# Altium PCB WS2812_MATRIX.PcbDoc (part 2 of 4) (continued)
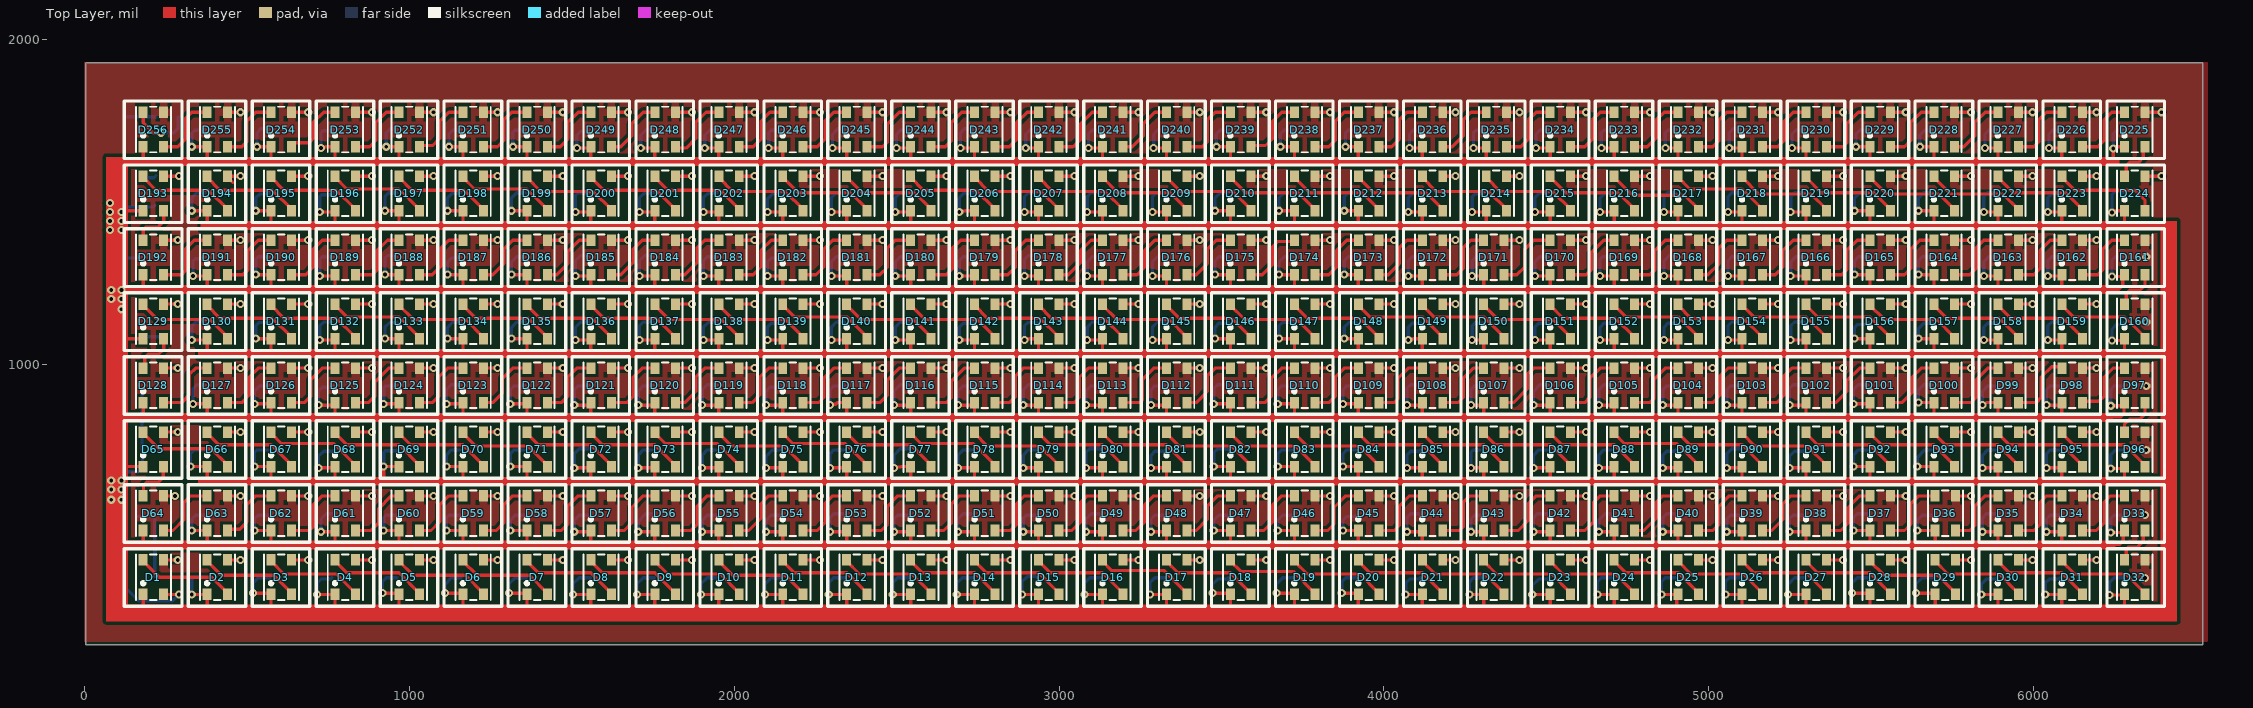
[diagram p0: Top Layer view]
## Nets (pads, with @x,y where several pads share a name; then routed paths per layer and width w, separated by ;. In a path a pad name is that pad's centre, name@x,y a point inside that pad or via, vN(x,y) a via of type N, cw(c..) or ccw(c..) an arc to the next point about the centre after c; other vN are vias at no path point) (continued)
NetD44_4: D44.4 D45.2 | length 212.5
  Top Layer w10: D45.2@3984.25,488.19 4031.5,488.19 4047.24,503.94 4047.24,562.99 4078.74,594.49 D44.4@4118.11,594.49
NetD45_4: D45.4 D46.2 | length 207.9
  Top Layer w10: D46.2@3787.4,488.19 3826.77,488.19 3846.46,507.87 3846.46,559.06 3881.89,594.49 D45.4@3921.26,594.49
NetD46_4: D46.4 D47.2 | length 207.9
  Top Layer w10: D47.2@3590.55,488.19 3629.92,488.19 3657.48,515.75 3657.48,566.93 3685.04,594.49 D46.4@3724.41,594.49
NetD47_4: D47.4 D48.2 | length 201.7
  Top Layer w10: D48.2@3393.7,488.19 3422.48,488.19 3456.69,522.4 3456.69,562.99 3488.19,594.49 D47.4@3527.56,594.49
NetD48_4: D48.4 D49.2 | length 207.9
  Top Layer w10: D49.2@3196.85,488.19 3236.22,488.19 3263.78,515.75 3263.78,566.93 3291.34,594.49 D48.4@3330.71,594.49
NetD49_4: D49.4 D50.2 | length 212.5
  Top Layer w10: D50.2@3000,488.19 3039.37,488.19 3066.93,515.75 3066.93,574.8 3086.61,594.49 D49.4@3133.86,594.49
NetD50_4: D50.4 D51.2 | length 214.8
  Top Layer w10: D51.2@2803.15,488.19 2850.39,488.19 2870.08,507.87 2870.08,570.87 2893.7,594.49 D50.4@2937.01,594.49
NetD51_4: D51.4 D52.2 | length 212.5
  Top Layer w10: D52.2@2606.3,488.19 2645.67,488.19 2669.29,511.81 2669.29,570.87 2692.91,594.49 D51.4@2740.16,594.49
NetD52_4: D52.4 D53.2 | length 210.2
  Top Layer w10: D53.2@2409.45,488.19 2452.76,488.19 2472.44,507.87 2472.44,562.99 2503.94,594.49 D52.4@2543.31,594.49
NetD53_4: D53.4 D54.2 | length 212.5
  Top Layer w10: D54.2@2212.6,488.19 2255.91,488.19 2279.53,511.81 2279.53,570.87 2303.15,594.49 D53.4@2346.46,594.49
NetD54_4: D54.4 D55.2 | length 204
  Top Layer w10: D55.2@2015.75,488.19 2044.53,488.19 2082.68,526.34 2082.68,570.87 2106.3,594.49 D54.4@2149.61,594.49
NetD55_4: D55.4 D56.2 | length 210.2
  Top Layer w10: D56.2@1818.9,488.19 1866.14,488.19 1885.83,507.87 1885.83,562.99 1917.32,594.49 D55.4@1952.76,594.49
NetD56_4: D56.4 D57.2 | length 205.6
  Top Layer w10: D57.2@1622.05,488.19 1661.42,488.19 1685.04,511.81 1685.04,559.06 1720.47,594.49 D56.4@1755.9,594.49
NetD57_4: D57.4 D58.2 | length 210.2
  Top Layer w10: D58.2@1425.2,488.19 1468.5,488.19 1488.19,507.87 1488.19,562.99 1519.69,594.49 D57.4@1559.05,594.49
NetD58_4: D58.4 D59.2 | length 210.2
  Top Layer w10: D59.2@1228.35,488.19 1267.72,488.19 1291.34,511.81 1291.34,566.93 1318.9,594.49 D58.4@1362.2,594.49
NetD59_4: D59.4 D60.2 | length 207.9
  Top Layer w10: D60.2@1031.5,488.19 1066.93,488.19 1094.49,515.75 1094.49,566.93 1122.05,594.49 D59.4@1165.35,594.49
NetD60_4: D60.4 D61.2 | length 203.3
  Top Layer w10: D61.2@834.65,488.19 881.89,488.19 905.51,511.81 905.51,555.12 944.88,594.49 D60.4@968.5,594.49
NetD61_4: D61.4 D62.2 | length 217.1
  Top Layer w10: D62.2@637.8,488.19 692.91,488.19 704.72,500 704.72,566.93 732.28,594.49 D61.4@771.65,594.49
NetD62_4: D62.4 D63.2 | length 211.2
  Top Layer w10: D63.2@440.95,488.19 440.95,492.13 478.08,492.13 500,514.05 500,566.93 527.56,594.49 D62.4@574.8,594.49
NetD63_4: D63.4 D64.2 | length 208.6
  Top Layer w10: D64.2@244.09,488.19 272.87,488.19 307.09,522.4 307.09,574.8 326.77,594.49 D63.4@377.95,594.49
NetD65_4: D65.4 D66.2 | length 308.5
  Top Layer w10: D65.4@181.1,791.34 181.1,787.4 228.35,740.16 389.76,740.16 440.95,688.98 D66.2@440.95,685.04
NetD66_4: D66.4 D67.2 | length 308.5
  Top Layer w10: D66.4@377.95,791.34 377.95,787.4 413.39,751.97 574.8,751.97 637.8,688.98 D67.2@637.8,685.04
NetD67_4: D67.4 D68.2 | length 308.5
  Top Layer w10: D67.4@574.8,791.34 574.8,787.4 606.3,755.91 767.72,755.91 834.65,688.98 D68.2@834.65,685.04
NetD68_4: D68.4 D69.2 | length 308.5
  Top Layer w10: D68.4@771.65,791.34 771.65,787.4 807.09,751.97 968.5,751.97 1031.5,688.98 D69.2@1031.5,685.04
NetD69_4: D69.4 D70.2 | length 308.5
  Top Layer w10: D69.4@968.5,791.34 968.5,787.4 1003.94,751.97 1165.35,751.97 1228.35,688.98 D70.2@1228.35,685.04
NetD70_4: D70.4 D71.2 | length 308.5
  Top Layer w10: D70.4@1165.35,791.34 1165.35,787.4 1204.72,748.03 1366.14,748.03 1425.2,688.98 D71.2@1425.2,685.04
NetD71_4: D71.4 D72.2 | length 308.5
  Top Layer w10: D71.4@1362.2,791.34 1362.2,787.4 1397.64,751.97 1559.06,751.97 1622.05,688.98 D72.2@1622.05,685.04
NetD72_4: D72.4 D73.2 | length 308.5
  Top Layer w10: D72.4@1559.05,791.34 1559.05,787.4 1594.49,751.97 1755.9,751.97 1818.9,688.98 D73.2@1818.9,685.04
NetD73_4: D73.4 D74.2 | length 308.5
  Top Layer w10: D73.4@1755.9,791.34 1755.9,787.4 1787.4,755.91 1948.82,755.91 2015.75,688.98 D74.2@2015.75,685.04
NetD74_4: D74.4 D75.2 | length 308.5
  Top Layer w10: D74.4@1952.76,791.34 1952.76,787.4 1992.13,748.03 2153.54,748.03 2212.6,688.98 D75.2@2212.6,685.04
NetD75_4: D75.4 D76.2 | length 308.5
  Top Layer w10: D75.4@2149.61,791.34 2149.61,787.4 2181.1,755.91 2342.52,755.91 2409.45,688.98 D76.2@2409.45,685.04
NetD76_4: D76.4 D77.2 | length 308.5
  Top Layer w10: D76.4@2346.46,791.34 2346.46,787.4 2381.89,751.97 2543.31,751.97 2606.3,688.98 D77.2@2606.3,685.04
NetD77_4: D77.4 D78.2 | length 308.5
  Top Layer w10: D77.4@2543.31,791.34 2543.31,787.4 2574.8,755.91 2736.22,755.91 2803.15,688.98 D78.2@2803.15,685.04
NetD78_4: D78.4 D79.2 | length 308.5
  Top Layer w10: D78.4@2740.16,791.34 2740.16,787.4 2779.53,748.03 2940.94,748.03 3000,688.98 D79.2@3000,685.04
NetD79_4: D79.4 D80.2 | length 308.5
  Top Layer w10: D79.4@2937.01,791.34 2937.01,787.4 2972.44,751.97 3133.86,751.97 3196.85,688.98 D80.2@3196.85,685.04
NetD80_4: D80.4 D81.2 | length 308.5
  Top Layer w10: D80.4@3133.86,791.34 3133.86,787.4 3169.29,751.97 3330.71,751.97 3393.7,688.98 D81.2@3393.7,685.04
NetD81_4: D81.4 D82.2 | length 308.5
  Top Layer w10: D81.4@3330.71,791.34 3330.71,787.4 3370.08,748.03 3531.5,748.03 3590.55,688.98 D82.2@3590.55,685.04
NetD82_4: D82.4 D83.2 | length 308.5
  Top Layer w10: D82.4@3527.56,791.34 3527.56,787.4 3566.93,748.03 3728.35,748.03 3787.4,688.98 D83.2@3787.4,685.04
NetD83_4: D83.4 D84.2 | length 308.5
  Top Layer w10: D83.4@3724.41,791.34 3724.41,787.4 3763.78,748.03 3925.2,748.03 3984.25,688.98 D84.2@3984.25,685.04
NetD84_4: D84.4 D85.2 | length 308.5
  Top Layer w10: D84.4@3921.26,791.34 3921.26,787.4 3956.69,751.97 4118.11,751.97 4181.1,688.98 D85.2@4181.1,685.04
NetD85_4: D85.4 D86.2 | length 300.6
  Top Layer w10: D85.4@4118.11,791.34 4118.11,787.4 4153.54,751.97 4307.09,751.97 4370.08,688.98 D86.2@4370.08,685.04
NetD86_4: D86.4 D87.2 | length 316.4
  Top Layer w10: D86.4@4307.09,791.34 4307.09,787.4 4342.52,751.97 4511.81,751.97 4574.8,688.98 D87.2@4574.8,685.04
NetD87_4: D87.4 D88.2 | length 308.5
  Top Layer w10: D87.4@4511.81,791.34 4511.81,787.4 4547.24,751.97 4708.66,751.97 4771.65,688.98 D88.2@4771.65,685.04
NetD88_4: D88.4 D89.2 | length 308.5
  Top Layer w10: D88.4@4708.66,791.34 4708.66,787.4 4740.15,755.91 4901.58,755.91 4968.5,688.98 D89.2@4968.5,685.04
NetD89_4: D89.4 D90.2 | length 308.5
  Top Layer w10: D89.4@4905.51,791.34 4905.51,787.4 4940.95,751.97 5102.36,751.97 5165.35,688.98 D90.2@5165.35,685.04
NetD90_4: D90.4 D91.2 | length 308.5
  Top Layer w10: D90.4@5102.36,791.34 5102.36,787.4 5141.73,748.03 5303.15,748.03 5362.2,688.98 D91.2@5362.2,685.04
NetD91_4: D91.4 D92.2 | length 308.5
  Top Layer w10: D91.4@5299.21,791.34 5299.21,787.4 5334.65,751.97 5496.06,751.97 5559.06,688.98 D92.2@5559.06,685.04
NetD92_4: D92.4 D93.2 | length 308.5
  Top Layer w10: D92.4@5496.06,791.34 5496.06,787.4 5531.5,751.97 5692.91,751.97 5755.91,688.98 D93.2@5755.91,685.04
NetD93_4: D93.4 D94.2 | length 308.5
  Top Layer w10: D93.4@5692.91,791.34 5692.91,787.4 5728.35,751.97 5889.76,751.97 5952.75,688.98 D94.2@5952.75,685.04
NetD94_4: D94.4 D95.2 | length 308.5
  Top Layer w10: D94.4@5889.76,791.34 5889.76,787.4 5925.19,751.97 6086.61,751.97 6149.6,688.98 D95.2@6149.6,685.04
NetD95_4: D95.4 D96.2 | length 304.6
  Top Layer w10: D95.4@6086.61,791.34 6086.61,787.4 6122.04,751.97 6279.53,751.97 6342.52,688.98 D96.2@6342.52,685.04
NetD97_4: D97.4 D98.2 | length 206.9
  Top Layer w10: D98.2@6149.6,885.83 6200.79,885.83 6216.54,901.57 6216.54,960.63 6244.09,988.19 D97.4@6279.53,988.19
NetD98_4: D98.4 D99.2 | length 216.4
  Top Layer w10: D99.2@5952.75,881.89 6007.87,881.89 6023.62,897.64 6023.62,960.63 6055.12,992.13 D98.4@6086.61,992.13
NetD99_4: D99.4 D100.2 | length 210.2
  Top Layer w10: D100.2@5755.91,881.89 5807.09,881.89 5822.83,897.64 5822.83,952.76 5858.27,988.19 D99.4@5889.76,988.19
NetD100_4: D100.4 D101.2 | length 205.6
  Top Layer w10: D101.2@5559.06,881.89 5594.49,881.89 5625.98,913.39 5625.98,960.63 5653.54,988.19 D100.4@5692.91,988.19
NetD101_4: D101.4 D102.2 | length 197.1
  Top Layer w10: D102.2@5362.2,881.89 5390.98,881.89 5425.2,916.1 5425.2,948.82 5464.57,988.19 D101.4@5496.06,988.19
NetD102_4: D102.4 D103.2 | length 212.5
  Top Layer w10: D103.2@5165.35,881.89 5208.66,881.89 5232.28,905.51 5232.28,964.57 5255.91,988.19 D102.4@5299.21,988.19
NetD103_4: D103.4 D104.2 | length 212.5
  Top Layer w10: D104.2@4968.5,881.89 5011.81,881.89 5035.43,905.51 5035.43,964.57 5059.06,988.19 D103.4@5102.36,988.19
NetD104_4: D104.4 D105.2 | length 212.5
  Top Layer w10: D105.2@4771.65,881.89 4818.9,881.89 4830.71,893.7 4830.71,952.76 4866.14,988.19 D104.4@4905.51,988.19
NetD105_4: D105.4 D106.2 | length 212.5
  Top Layer w10: D106.2@4574.8,881.89 4618.11,881.89 4633.86,897.64 4633.86,956.69 4665.35,988.19 D105.4@4708.66,988.19
NetD106_4: D106.4 D107.2 | length 211.8
  Top Layer w10: D107.2@4370.08,881.89 4398.86,881.89 4440.94,923.98 4440.94,968.5 4460.63,988.19 D106.4@4511.81,988.19
NetD107_4: D107.4 D108.2 | length 204.6
  Top Layer w10: D108.2@4181.1,881.89 4228.35,881.89 4244.09,897.64 4244.09,956.69 4275.59,988.19 D107.4@4307.09,988.19
NetD108_4: D108.4 D109.2 | length 214.8
  Top Layer w10: D109.2@3984.25,881.89 4031.5,881.89 4043.31,893.7 4043.31,956.69 4074.8,988.19 D108.4@4118.11,988.19
NetD109_4: D109.4 D110.2 | length 212.5
  Top Layer w10: D110.2@3787.4,881.89 3830.71,881.89 3850.39,901.57 3850.39,960.63 3877.95,988.19 D109.4@3921.26,988.19
NetD110_4: D110.4 D111.2 | length 210.2
  Top Layer w10: D111.2@3590.55,881.89 3633.86,881.89 3653.54,901.57 3653.54,956.69 3685.04,988.19 D110.4@3724.41,988.19
NetD111_4: D111.4 D112.2 | length 206.3
  Top Layer w10: D112.2@3393.7,881.89 3422.48,881.89 3456.69,916.1 3456.69,964.57 3480.32,988.19 D111.4@3527.56,988.19
NetD112_4: D112.4 D113.2 | length 214.8
  Top Layer w10: D113.2@3196.85,881.89 3248.03,881.89 3255.91,889.76 3255.91,952.76 3291.34,988.19 D112.4@3330.71,988.19
NetD113_4: D113.4 D114.2 | length 214.8
  Top Layer w10: D114.2@3000,881.89 3047.24,881.89 3062.99,897.64 3062.99,960.63 3090.55,988.19 D113.4@3133.86,988.19
NetD114_4: D114.4 D115.2 | length 214.8
  Top Layer w10: D115.2@2803.15,881.89 2846.46,881.89 2866.14,901.57 2866.14,964.57 2889.76,988.19 D114.4@2937.01,988.19
NetD115_4: D115.4 D116.2 | length 207.9
  Top Layer w10: D116.2@2606.3,881.89 2653.54,881.89 2669.29,897.64 2669.29,948.82 2708.66,988.19 D115.4@2740.16,988.19
NetD116_4: D116.4 D117.2 | length 205.6
  Top Layer w10: D117.2@2409.45,881.89 2448.82,881.89 2472.44,905.51 2472.44,952.76 2507.87,988.19 D116.4@2543.31,988.19
NetD117_4: D117.4 D118.2 | length 212.5
  Top Layer w10: D118.2@2212.6,881.89 2259.84,881.89 2275.59,897.64 2275.59,956.69 2307.09,988.19 D117.4@2346.46,988.19
NetD118_4: D118.4 D119.2 | length 210.2
  Top Layer w10: D119.2@2015.75,881.89 2055.12,881.89 2078.74,905.51 2078.74,960.63 2106.3,988.19 D118.4@2149.61,988.19
NetD119_4: D119.4 D120.2 | length 204
  Top Layer w10: D120.2@1818.9,881.89 1847.68,881.89 1881.89,916.1 1881.89,960.63 1909.45,988.19 D119.4@1952.76,988.19
NetD120_4: D120.4 D121.2 | length 212.5
  Top Layer w10: D121.2@1622.05,881.89 1669.29,881.89 1688.98,901.57 1688.98,960.63 1716.54,988.19 D120.4@1755.9,988.19
NetD121_4: D121.4 D122.2 | length 212.5
  Top Layer w10: D122.2@1425.2,881.89 1468.5,881.89 1488.19,901.57 1488.19,960.63 1515.75,988.19 D121.4@1559.05,988.19
NetD122_4: D122.4 D123.2 | length 204
  Top Layer w10: D123.2@1228.35,881.89 1257.13,881.89 1287.4,912.17 1287.4,956.69 1318.9,988.19 D122.4@1362.2,988.19
NetD123_4: D123.4 D124.2 | length 212.5
  Top Layer w10: D124.2@1031.5,881.89 1070.87,881.89 1090.55,901.57 1090.55,960.63 1118.11,988.19 D123.4@1165.35,988.19
NetD124_4: D124.4 D125.2 | length 203.3
  Top Layer w10: D125.2@834.65,881.89 874.02,881.89 893.7,901.57 893.7,944.88 937.01,988.19 D124.4@968.5,988.19
NetD125_4: D125.4 D126.2 | length 207.9
  Top Layer w10: D126.2@637.8,881.89 677.17,881.89 696.85,901.57 696.85,952.76 732.28,988.19 D125.4@771.65,988.19
NetD126_4: D126.4 D127.2 | length 210.2
  Top Layer w10: D127.2@440.94,881.89 484.25,881.89 507.87,905.51 507.87,960.63 535.43,988.19 D126.4@574.8,988.19
NetD127_4: D127.4 D128.2 | length 214.8
  Top Layer w10: D128.2@244.09,881.89 299.21,881.89 322.83,905.51 322.83,968.5 342.52,988.19 D127.4@377.95,988.19
NetD129_4: D129.4 D130.2 | length 308.5
  Top Layer w10: D129.4@181.1,1185.04 181.1,1181.1 224.41,1137.8 385.83,1137.8 440.94,1082.68 D130.2@440.94,1078.74
NetD130_4: D130.4 D131.2 | length 308.5
  Top Layer w10: D130.4@377.95,1185.04 377.95,1181.1 417.32,1141.73 578.74,1141.73 637.8,1082.68 D131.2@637.8,1078.74
NetD131_4: D131.4 D132.2 | length 308.5
  Top Layer w10: D131.4@574.8,1185.04 574.8,1181.1 614.17,1141.73 775.59,1141.73 834.65,1082.68 D132.2@834.65,1078.74
NetD132_4: D132.4 D133.2 | length 308.5
  Top Layer w10: D132.4@771.65,1185.04 771.65,1181.1 807.09,1145.67 968.5,1145.67 1031.5,1082.68 D133.2@1031.5,1078.74
NetD133_4: D133.4 D134.2 | length 308.5
  Top Layer w10: D133.4@968.5,1185.04 968.5,1181.1 1011.81,1137.8 1173.23,1137.8 1228.35,1082.68 D134.2@1228.35,1078.74
NetD134_4: D134.4 D135.2 | length 308.5
  Top Layer w10: D134.4@1165.35,1185.04 1165.35,1181.1 1204.72,1141.73 1366.14,1141.73 1425.2,1082.68 D135.2@1425.2,1078.74
NetD135_4: D135.4 D136.2 | length 308.5
  Top Layer w10: D135.4@1362.2,1185.04 1362.2,1181.1 1401.57,1141.73 1562.99,1141.73 1622.05,1082.68 D136.2@1622.05,1078.74
NetD136_4: D136.4 D137.2 | length 308.5
  Top Layer w10: D136.4@1559.05,1185.04 1559.05,1181.1 1598.42,1141.73 1759.84,1141.73 1818.9,1082.68 D137.2@1818.9,1078.74
NetD137_4: D137.4 D138.2 | length 308.5
  Top Layer w10: D137.4@1755.9,1185.04 1755.9,1181.1 1799.21,1137.8 1960.63,1137.8 2015.75,1082.68 D138.2@2015.75,1078.74
NetD138_4: D138.4 D139.2 | length 308.5
  Top Layer w10: D138.4@1952.76,1185.04 1952.76,1181.1 1996.06,1137.8 2157.48,1137.8 2212.6,1082.68 D139.2@2212.6,1078.74
NetD139_4: D139.4 D140.2 | length 308.5
  Top Layer w10: D139.4@2149.61,1185.04 2149.61,1181.1 2185.04,1145.67 2346.46,1145.67 2409.45,1082.68 D140.2@2409.45,1078.74
NetD140_4: D140.4 D141.2 | length 308.5
  Top Layer w10: D140.4@2346.46,1185.04 2346.46,1181.1 2389.76,1137.8 2551.18,1137.8 2606.3,1082.68 D141.2@2606.3,1078.74
NetD141_4: D141.4 D142.2 | length 308.5
  Top Layer w10: D141.4@2543.31,1185.04 2543.31,1181.1 2586.61,1137.8 2748.03,1137.8 2803.15,1082.68 D142.2@2803.15,1078.74
NetD142_4: D142.4 D143.2 | length 308.5
  Top Layer w10: D142.4@2740.16,1185.04 2740.16,1181.1 2779.53,1141.73 2940.94,1141.73 3000,1082.68 D143.2@3000,1078.74
NetD143_4: D143.4 D144.2 | length 308.5
  Top Layer w10: D143.4@2937.01,1185.04 2937.01,1181.1 2976.38,1141.73 3137.79,1141.73 3196.85,1082.68 D144.2@3196.85,1078.74
NetD144_4: D144.4 D145.2 | length 308.5
  Top Layer w10: D144.4@3133.86,1185.04 3133.86,1181.1 3177.16,1137.8 3338.58,1137.8 3393.7,1082.68 D145.2@3393.7,1078.74
NetD145_4: D145.4 D146.2 | length 308.5
  Top Layer w10: D145.4@3330.71,1185.04 3330.71,1181.1 3370.08,1141.73 3531.5,1141.73 3590.55,1082.68 D146.2@3590.55,1078.74
NetD146_4: D146.4 D147.2 | length 308.5
  Top Layer w10: D146.4@3527.56,1185.04 3527.56,1181.1 3570.87,1137.8 3732.28,1137.8 3787.4,1082.68 D147.2@3787.4,1078.74
NetD147_4: D147.4 D148.2 | length 308.5
  Top Layer w10: D147.4@3724.41,1185.04 3724.41,1181.1 3763.78,1141.73 3925.2,1141.73 3984.25,1082.68 D148.2@3984.25,1078.74
NetD148_4: D148.4 D149.2 | length 308.5
  Top Layer w10: D148.4@3921.26,1185.04 3921.26,1181.1 3956.69,1145.67 4118.11,1145.67 4181.1,1082.68 D149.2@4181.1,1078.74
NetD149_4: D149.4 D150.2 | length 300.6
  Top Layer w10: D149.4@4118.11,1185.04 4118.11,1181.1 4153.54,1145.67 4307.09,1145.67 4370.08,1082.68 D150.2@4370.08,1078.74
NetD150_4: D150.4 D151.2 | length 316.4
  Top Layer w10: D150.4@4307.09,1185.04 4307.09,1181.1 4350.39,1137.8 4519.68,1137.8 4574.8,1082.68 D151.2@4574.8,1078.74
NetD151_4: D151.4 D152.2 | length 308.5
  Top Layer w10: D151.4@4511.81,1185.04 4511.81,1181.1 4551.18,1141.73 4712.6,1141.73 4771.65,1082.68 D152.2@4771.65,1078.74
NetD152_4: D152.4 D153.2 | length 308.5
  Top Layer w10: D152.4@4708.66,1185.04 4708.66,1181.1 4744.09,1145.67 4905.51,1145.67 4968.5,1082.68 D153.2@4968.5,1078.74
NetD153_4: D153.4 D154.2 | length 308.5
  Top Layer w10: D153.4@4905.51,1185.04 4905.51,1181.1 4944.88,1141.73 5106.3,1141.73 5165.35,1082.68 D154.2@5165.35,1078.74
NetD154_4: D154.4 D155.2 | length 308.5
  Top Layer w10: D154.4@5102.36,1185.04 5102.36,1181.1 5137.8,1145.67 5299.21,1145.67 5362.2,1082.68 D155.2@5362.2,1078.74
NetD155_4: D155.4 D156.2 | length 308.5
  Top Layer w10: D155.4@5299.21,1185.04 5299.21,1181.1 5334.65,1145.67 5496.06,1145.67 5559.06,1082.68 D156.2@5559.06,1078.74
NetD156_4: D156.4 D157.2 | length 308.5
  Top Layer w10: D156.4@5496.06,1185.04 5496.06,1181.1 5539.37,1137.8 5700.79,1137.8 5755.91,1082.68 D157.2@5755.91,1078.74
NetD157_4: D157.4 D158.2 | length 308.5
  Top Layer w10: D157.4@5692.91,1185.04 5692.91,1181.1 5732.28,1141.73 5893.7,1141.73 5952.75,1082.68 D158.2@5952.75,1078.74
NetD158_4: D158.4 D159.2 | length 308.5
  Top Layer w10: D158.4@5889.76,1185.04 5889.76,1181.1 5929.13,1141.73 6090.55,1141.73 6149.6,1082.68 D159.2@6149.6,1078.74
NetD159_4: D159.4 D160.2 | length 304.6
  Top Layer w10: D159.4@6086.61,1185.04 6086.61,1181.1 6122.04,1145.67 6279.53,1145.67 6342.52,1082.68 D160.2@6342.52,1078.74
NetD161_4: D161.4 D162.2 | length 210.9
  Top Layer w10: D162.2@6149.6,1275.59 6196.85,1275.59 6212.6,1291.34 6212.6,1354.33 6240.16,1381.89 D161.4@6279.53,1381.89
NetD162_4: D162.4 D163.2 | length 210.2
  Top Layer w10: D163.2@5952.75,1275.59 6000,1275.59 6019.69,1295.28 6019.69,1350.39 6051.18,1381.89 D162.4@6086.61,1381.89
NetD163_4: D163.4 D164.2 | length 214.8
  Top Layer w10: D164.2@5755.91,1275.59 5803.15,1275.59 5822.83,1295.28 5822.83,1358.27 5846.46,1381.89 D163.4@5889.76,1381.89
NetD164_4: D164.4 D165.2 | length 212.5
  Top Layer w10: D165.2@5559.06,1275.59 5602.36,1275.59 5622.05,1295.28 5622.05,1354.33 5649.61,1381.89 D164.4@5692.91,1381.89
NetD165_4: D165.4 D166.2 | length 212.5
  Top Layer w10: D166.2@5362.2,1275.59 5409.45,1275.59 5425.2,1291.34 5425.2,1350.39 5456.69,1381.89 D165.4@5496.06,1381.89
NetD166_4: D166.4 D167.2 | length 207.9
  Top Layer w10: D167.2@5165.35,1275.59 5204.72,1275.59 5228.35,1299.21 5228.35,1350.39 5259.84,1381.89 D166.4@5299.21,1381.89
NetD167_4: D167.4 D168.2 | length 206.3
  Top Layer w10: D168.2@4968.5,1275.59 4997.28,1275.59 5031.5,1309.8 5031.5,1358.27 5055.12,1381.89 D167.4@5102.36,1381.89
NetD168_4: D168.4 D169.2 | length 212.5
  Top Layer w10: D169.2@4771.65,1275.59 4818.9,1275.59 4834.65,1291.34 4834.65,1350.39 4866.14,1381.89 D168.4@4905.51,1381.89
NetD169_4: D169.4 D170.2 | length 207.9
  Top Layer w10: D170.2@4574.8,1275.59 4622.05,1275.59 4637.8,1291.34 4637.8,1342.52 4677.17,1381.89 D169.4@4708.66,1381.89
NetD170_4: D170.4 D171.2 | length 218.1
  Top Layer w10: D171.2@4370.08,1275.59 4409.45,1275.59 4433.07,1299.21 4433.07,1354.33 4460.63,1381.89 D170.4@4511.81,1381.89
NetD171_4: D171.4 D172.2 | length 206.9
  Top Layer w10: D172.2@4181.1,1275.59 4224.41,1275.59 4244.09,1295.28 4244.09,1358.27 4267.72,1381.89 D171.4@4307.09,1381.89
NetD172_4: D172.4 D173.2 | length 206.3
  Top Layer w10: D173.2@3984.25,1275.59 4013.03,1275.59 4047.24,1309.8 4047.24,1358.27 4070.87,1381.89 D172.4@4118.11,1381.89
NetD173_4: D173.4 D174.2 | length 207.9
  Top Layer w10: D174.2@3787.4,1275.59 3830.71,1275.59 3854.33,1299.21 3854.33,1350.39 3885.83,1381.89 D173.4@3921.26,1381.89
NetD174_4: D174.4 D175.2 | length 212.5
  Top Layer w10: D175.2@3590.55,1275.59 3625.98,1275.59 3657.48,1307.09 3657.48,1362.2 3673.23,1377.95 3724.41,1377.95 D174.4@3724.41,1381.89
NetD175_4: D175.4 D176.2 | length 204
  Top Layer w10: D176.2@3393.7,1275.59 3422.48,1275.59 3456.69,1309.8 3456.69,1354.33 3484.25,1381.89 D175.4@3527.56,1381.89
NetD176_4: D176.4 D177.2 | length 207.9
  Top Layer w10: D177.2@3196.85,1275.59 3240.16,1275.59 3263.78,1299.21 3263.78,1350.39 3295.28,1381.89 D176.4@3330.71,1381.89
NetD177_4: D177.4 D178.2 | length 199.4
  Top Layer w10: D178.2@3000,1275.59 3028.78,1275.59 3066.93,1313.74 3066.93,1350.39 3098.43,1381.89 D177.4@3133.86,1381.89
NetD178_4: D178.4 D179.2 | length 207.9
  Top Layer w10: D179.2@2803.15,1275.59 2842.52,1275.59 2866.14,1299.21 2866.14,1350.39 2897.64,1381.89 D178.4@2937.01,1381.89
NetD179_4: D179.4 D180.2 | length 214.8
  Top Layer w10: D180.2@2606.3,1275.59 2653.54,1275.59 2673.23,1295.28 2673.23,1358.27 2696.85,1381.89 D179.4@2740.16,1381.89
NetD180_4: D180.4 D181.2 | length 212.5
  Top Layer w10: D181.2@2409.45,1275.59 2448.82,1275.59 2472.44,1299.21 2472.44,1358.27 2496.06,1381.89 D180.4@2543.31,1381.89
NetD181_4: D181.4 D182.2 | length 210.2
  Top Layer w10: D182.2@2212.6,1275.59 2251.97,1275.59 2275.59,1299.21 2275.59,1354.33 2303.15,1381.89 D181.4@2346.46,1381.89
NetD182_4: D182.4 D183.2 | length 207.9
  Top Layer w10: D183.2@2015.75,1275.59 2059.06,1275.59 2082.68,1299.21 2082.68,1350.39 2114.17,1381.89 D182.4@2149.61,1381.89
NetD183_4: D183.4 D184.2 | length 204
  Top Layer w10: D184.2@1818.9,1275.59 1847.68,1275.59 1885.83,1313.74 1885.83,1358.27 1909.45,1381.89 D183.4@1952.76,1381.89
NetD184_4: D184.4 D185.2 | length 201.7
  Top Layer w10: D185.2@1622.05,1275.59 1650.83,1275.59 1688.98,1313.74 1688.98,1354.33 1716.54,1381.89 D184.4@1755.9,1381.89
NetD185_4: D185.4 D186.2 | length 199.4
  Top Layer w10: D186.2@1425.2,1275.59 1453.98,1275.59 1488.19,1309.8 1488.19,1346.46 1523.62,1381.89 D185.4@1559.05,1381.89
NetD186_4: D186.4 D187.2 | length 204
  Top Layer w10: D187.2@1228.35,1275.59 1257.13,1275.59 1291.34,1309.8 1291.34,1354.33 1318.9,1381.89 D186.4@1362.2,1381.89
NetD187_4: D187.4 D188.2 | length 210.2
  Top Layer w10: D188.2@1031.5,1275.59 1070.87,1275.59 1098.43,1303.15 1098.43,1358.27 1122.05,1381.89 D187.4@1165.35,1381.89
NetD188_4: D188.4 D189.2 | length 212.5
  Top Layer w10: D189.2@834.65,1275.59 885.83,1275.59 901.57,1291.34 901.57,1350.39 933.07,1381.89 D188.4@968.5,1381.89
NetD189_4: D189.4 D190.2 | length 210.2
  Top Layer w10: D190.2@637.8,1275.59 681.1,1275.59 704.72,1299.21 704.72,1354.33 732.28,1381.89 D189.4@771.65,1381.89
NetD190_4: D190.4 D191.2 | length 212.5
  Top Layer w10: D191.2@440.94,1275.59 488.19,1275.59 503.94,1291.34 503.94,1350.39 535.43,1381.89 D190.4@574.8,1381.89
NetD191_4: D191.4 D192.2 | length 217.1
  Top Layer w10: D192.2@244.09,1275.59 299.21,1275.59 311.02,1287.4 311.02,1354.33 338.58,1381.89 D191.4@377.95,1381.89
NetD193_4: D193.4 D194.2 | length 308.5
  Top Layer w10: D193.4@181.1,1578.74 181.1,1574.8 220.47,1535.43 381.89,1535.43 440.94,1476.38 D194.2@440.94,1472.44
NetD194_4: D194.4 D195.2 | length 308.5
  Top Layer w10: D194.4@377.95,1578.74 377.95,1574.8 417.32,1535.43 578.74,1535.43 637.8,1476.38 D195.2@637.8,1472.44
NetD195_4: D195.4 D196.2 | length 308.5
  Top Layer w10: D195.4@574.8,1578.74 574.8,1574.8 614.17,1535.43 775.59,1535.43 834.65,1476.38 D196.2@834.65,1472.44
NetD196_4: D196.4 D197.2 | length 308.5
  Top Layer w10: D196.4@771.65,1578.74 771.65,1574.8 807.09,1539.37 968.5,1539.37 1031.5,1476.38 D197.2@1031.5,1472.44
NetD197_4: D197.4 D198.2 | length 308.5
  Top Layer w10: D197.4@968.5,1578.74 968.5,1574.8 1007.87,1535.43 1169.29,1535.43 1228.35,1476.38 D198.2@1228.35,1472.44
NetD198_4: D198.4 D199.2 | length 308.5
  Top Layer w10: D198.4@1165.35,1578.74 1165.35,1574.8 1200.79,1539.37 1362.2,1539.37 1425.2,1476.38 D199.2@1425.2,1472.44
NetD199_4: D199.4 D200.2 | length 308.5
  Top Layer w10: D199.4@1362.2,1578.74 1362.2,1574.8 1405.51,1531.5 1566.93,1531.5 1622.05,1476.38 D200.2@1622.05,1472.44
NetD200_4: D200.4 D201.2 | length 308.5
  Top Layer w10: D200.4@1559.05,1578.74 1559.05,1574.8 1598.42,1535.43 1759.84,1535.43 1818.9,1476.38 D201.2@1818.9,1472.44
NetD201_4: D201.4 D202.2 | length 308.5
  Top Layer w10: D201.4@1755.9,1578.74 1755.9,1574.8 1795.27,1535.43 1956.69,1535.43 2015.75,1476.38 D202.2@2015.75,1472.44
NetD202_4: D202.4 D203.2 | length 308.5
  Top Layer w10: D202.4@1952.75,1578.74 1952.75,1574.8 1996.06,1531.5 2157.48,1531.5 2212.6,1476.38 D203.2@2212.6,1472.44